# Altium PCB FPV0-3.PcbDoc (part 5 of 6) (continued)
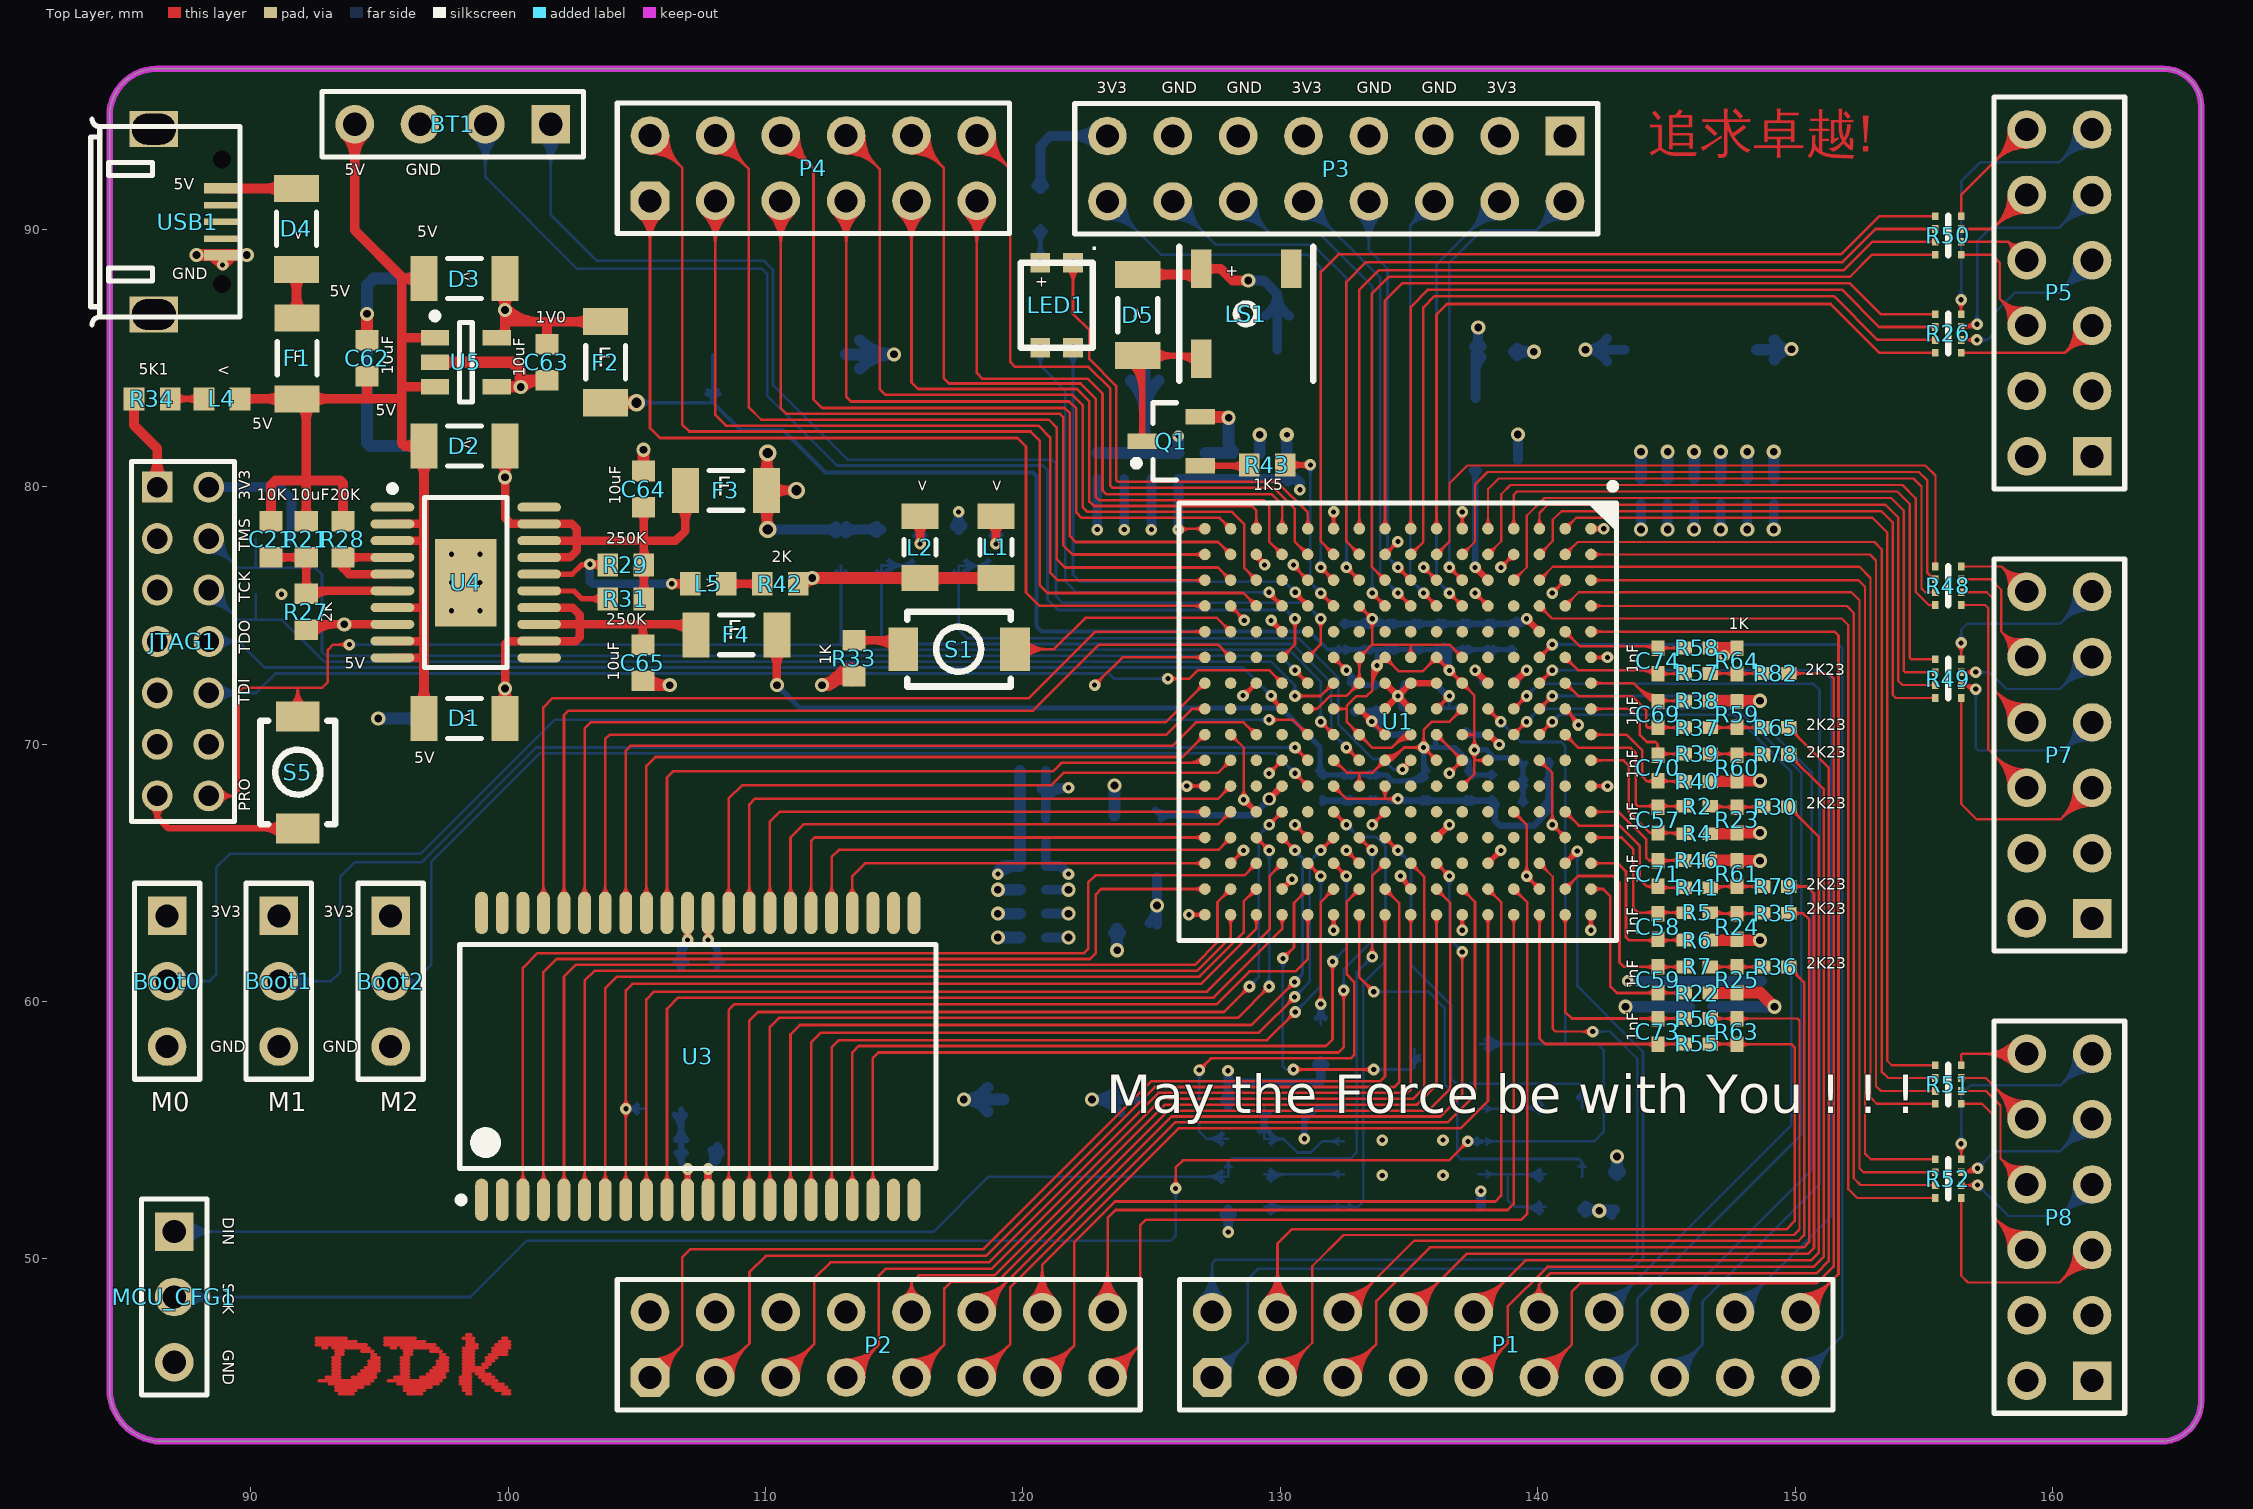
[diagram p0: Top Layer view]
## Nets (pads, with @x,y where several pads share a name; then routed paths per layer and width w, separated by ;. In a path a pad name is that pad's centre, name@x,y a point inside that pad or via, vN(x,y) a via of type N, cw(c..) or ccw(c..) an arc to the next point about the centre after c; other vN are vias at no path point) (continued)
  Bottom Layer w0.102: v1@136.446,76.989 ccw(c136.148,77.287) 136.569,77.287 ccw(c136.99,77.287) v1@136.692,76.989 ; v1(136.569,76.866) 136.569,88.715 137.809,89.956 139.943,89.956 ; 140.104,90.117 ccw(c139.23,90.992) P3.2@140.465,91.055 ; 140.108,90.121 cw(c140.997,89.232) P3.2@141.041,90.488 ; 140.266,90.279 ccw(c139.537,91.007) P3.2@140.566,91.06 ; 140.273,90.286 cw(c141.008,89.551) P3.2@141.045,90.59 ; P3.2@140.364,91.05 cw(c138.922,90.976) 139.943,89.956 ; 140.428,90.44 ccw(c139.845,91.023) P3.2@140.668,91.065 ; 140.439,90.451 cw(c141.019,89.87) P3.2@141.048,90.691 ; P3.2@141.037,90.387 ccw(c140.986,88.912) 139.943,89.956 ; P3.2@141.067,91.08 139.943,89.956
QSPI_CS: R12.2 U1.L12 U2.1 | length 26.6
  Top Layer w0.102: U1.L12@132.069,67.192 cw(c132.069,66.773) 132.365,67.069 ; U1.L12@132.069,67.366 v1(132.569,66.866) ; U1.L12@132.243,67.366 ccw(c132.666,67.366) 132.367,67.067 ; v1@132.395,66.866 ccw(c131.974,66.866) 132.271,67.163 ccw(c132.569,67.46) v1@132.569,67.04
  Bottom Layer w0.102: R12.2@129.376,52.019 U2.1@132.453,52.019 133.02,52.019 133.223,52.222 133.223,60.706 134.087,61.57 134.087,66.015 133.712,66.389 133.045,66.389 v1(132.569,66.866) ; R12.2@129.48,51.864 cw(c129.853,51.491) 129.853,52.019 ; R12.2@129.551,51.793 cw(c130.099,51.245) 130.099,52.019 ; R12.2@129.551,52.143 ccw(c129.85,52.441) 129.85,52.019 ; R12.2@129.623,51.721 cw(c130.344,51) 130.344,52.019 ; R12.2@129.623,52.215 ccw(c130.095,52.686) 130.095,52.019 ; U2.1@132.255,51.896 ccw(c131.957,51.599) 131.957,52.019 ccw(c131.957,52.44) U2.1@132.255,52.142 ; v1@132.569,66.691 cw(c132.569,66.271) 132.866,66.568 cw(c133.164,66.866) v1@132.743,66.866 ; U2.1@132.651,51.896 cw(c132.949,51.599) 132.949,52.019 cw(c132.949,52.44) U2.1@132.651,52.142
QSPI_DQ0: R20.1 U1.J13 | length 20.2
  Top Layer w0.102: U1.J13@134.069,66.192 cw(c134.069,65.773) 134.365,66.069 ; U1.J13@134.069,66.366 v1(134.569,65.866) ; U1.J13@134.243,66.366 ccw(c134.666,66.366) 134.367,66.067 ; v1@134.395,65.866 ccw(c133.974,65.866) 134.271,66.163 ccw(c134.569,66.46) v1@134.569,66.04
  Bottom Layer w0.102: v1@134.569,65.691 cw(c134.569,65.271) 134.866,65.568 cw(c135.164,65.866) v1@134.743,65.866 ; v1(134.569,65.866) 135.076,65.359 135.076,61.419 136.641,59.854 136.641,57.009 136.855,56.794 141.63,56.794 141.732,56.693 ; R20.1@141.514,56.262 ccw(c141.198,56.693) 141.732,56.693 ; R20.1@141.574,56.18 ccw(c141.345,56.492) 141.732,56.492 ; R20.1@141.732,55.829 141.732,56.693 ; 141.732,56.479 ccw(c142.127,56.479) R20.1@141.877,56.173 ; R20.1@141.942,56.251 cw(c142.302,56.693) 141.732,56.693
QSPI_DQ2: R14.2 U1.K15 | length 20.8
  Top Layer w0.102: v1(126.848,57.328) 127.305,57.785 132.74,57.785 132.866,57.91 132.866,60.758 132.588,61.036 132.588,63.885 U1.K15@133.069,64.366 ; v1@126.848,57.502 ccw(c126.848,57.923) 127.145,57.625 ccw(c127.442,57.328) v1@127.022,57.328 ; U1.K15@132.895,64.366 cw(c132.474,64.366) 132.772,64.069 cw(c133.069,63.771) U1.K15@133.069,64.192
  Bottom Layer w0.102: v1@126.724,57.205 cw(c126.427,56.907) 126.848,56.907 cw(c127.268,56.907) v1@126.971,57.205 ; v1(126.848,57.328) 126.848,54.966 127.152,54.661 ; R14.2@127.725,54.418 ccw(c127.152,53.863) 127.152,54.661 ; R14.2@127.725,54.904 cw(c127.152,55.458) 127.152,54.661 ; R14.2@127.798,54.489 ccw(c127.392,54.095) 127.392,54.661 ccw(c127.392,55.226) R14.2@127.798,54.833 ; R14.2@127.976,54.661 127.152,54.661
QSPI_DQ3: R19.1 U1.K16 | length 20.2
  Top Layer w0.102: U1.K16@132.946,63.243 cw(c132.649,62.945) 133.069,62.945 cw(c133.49,62.945) U1.K16@133.192,63.243 ; U1.K16@133.069,63.366 133.069,60.936 v1(133.629,60.376) ; v1@133.455,60.376 ccw(c133.035,60.376) 133.332,60.673 ccw(c133.629,60.971) v1@133.629,60.55
  Bottom Layer w0.102: v1(133.629,60.376) 135.759,60.376 136.387,59.748 136.387,56.78 136.881,56.286 136.881,54 137.008,53.873 141.605,53.873 141.732,53.746 ; v1@133.753,60.253 cw(c134.05,59.955) 134.05,60.376 cw(c134.05,60.796) v1@133.753,60.499 ; R19.1@141.605,53.567 ccw(c141.542,53.746) 141.732,53.746 ; R19.1@141.721,53.188 141.732,53.199 141.732,53.746 ; R19.1@141.856,53.56 cw(c141.935,53.746) 141.732,53.746
QSPI_SCK: MCU_CFG1.2 R17.1 U1.E8 U2.6 | length 101.1
  Top Layer w0.102: v1@125.81,52.854 ccw(c125.513,53.151) 125.933,53.151 ccw(c126.354,53.151) v1@126.056,52.854 ; v1(125.933,52.73) 125.933,53.543 126.213,53.823 136.55,53.823 v1(137.287,54.559) ; v1@137.113,54.559 cw(c136.692,54.559) 136.99,54.262 cw(c137.287,53.964) v1@137.287,54.385 ; U1.E8@138.069,71.192 cw(c138.069,70.771) 138.367,71.069 cw(c138.664,71.366) U1.E8@138.243,71.366 ; U1.E8@138.069,71.366 v1(138.569,70.866) ; 138.271,71.164 cw(c137.972,70.866) v1@138.395,70.866 ; 138.273,71.162 ccw(c138.569,71.458) v1@138.569,71.04
  Bottom Layer w0.102: MCU_CFG1.2@87.02,48.514 98.527,48.514 100.711,50.698 125.755,50.698 125.933,50.876 v1(125.933,52.73) ; MCU_CFG1.2@87.299,48.235 cw(c87.973,47.562) 87.973,48.514 cw(c87.973,49.466) MCU_CFG1.2@87.299,48.793 ; MCU_CFG1.2@87.371,48.163 cw(c88.218,47.317) 88.218,48.514 cw(c88.218,49.711) MCU_CFG1.2@87.371,48.865 ; MCU_CFG1.2@87.443,48.091 cw(c88.463,47.071) 88.463,48.514 cw(c88.463,49.957) MCU_CFG1.2@87.443,48.937 ; MCU_CFG1.2@87.515,48.02 cw(c88.708,46.826) 88.708,48.514 cw(c88.708,50.202) MCU_CFG1.2@87.515,49.008 ; v1@125.81,52.607 cw(c125.513,52.31) 125.933,52.31 cw(c126.354,52.31) v1@126.056,52.607 ; R17.1@137.776,58.344 141.069,58.344 ; U2.6@137.803,54.559 142.189,54.559 142.57,54.94 142.57,58.09 142.316,58.344 141.069,58.344 ; R17.1@137.95,58.17 cw(c138.37,57.75) 138.37,58.344 cw(c138.37,58.938) R17.1@137.95,58.518 ; U2.6@138.001,54.436 cw(c138.299,54.139) 138.299,54.559 ; U2.6@138.001,54.682 ccw(c138.299,54.98) 138.299,54.559 ; R17.1@138.022,58.098 cw(c138.615,57.505) 138.615,58.344 cw(c138.615,59.183) R17.1@138.022,58.59 ; R17.1@138.093,58.026 cw(c138.86,57.259) 138.86,58.344 cw(c138.86,59.428) R17.1@138.093,58.661 ; v1@138.569,70.691 cw(c138.569,70.271) 138.866,70.568 cw(c139.164,70.866) v1@138.743,70.866 ; v1(138.569,70.866) 139.356,70.079 140.919,70.079 141.069,69.929 141.069,58.344
  Bottom Layer w0.203: v1(137.287,54.559) U2.6@137.803,54.559 ; v1@137.374,54.472 cw(c137.585,54.261) 137.585,54.559 cw(c137.585,54.857) v1@137.374,54.646 ; v1@137.388,54.489 cw(c137.486,54.421) U2.6@137.517,54.536 ; v1@137.388,54.63 ccw(c137.486,54.698) U2.6@137.517,54.583 ; U2.6@137.641,54.472 ccw(c137.43,54.261) 137.43,54.559 ccw(c137.43,54.857) U2.6@137.641,54.646
SRAM-A0: U1.P14 U3.3 | length 42.1
  Top Layer w0.102: U3.3@100.425,53.002 ccw(c100.085,53.342) 100.566,53.342 ccw(c101.047,53.342) U3.3@100.707,53.002 ; U3.3@100.566,52.286 100.566,61.297 101.143,61.874 122.37,61.874 122.53,62.034 122.53,64.618 122.809,64.897 128.6,64.897 U1.P14@129.069,65.366 ; U1.P14@128.895,65.366 cw(c128.474,65.366) 128.772,65.069 cw(c129.069,64.771) U1.P14@129.069,65.192
SRAM-A1: U1.T15 U3.4 | length 38.6
  Top Layer w0.102: U3.4@101.225,53.002 ccw(c100.885,53.342) 101.366,53.342 ccw(c101.847,53.342) U3.4@101.507,53.002 ; U3.4@101.366,52.286 101.366,61.132 101.879,61.646 122.606,61.646 122.834,61.874 122.834,64.16 123.04,64.366 U1.T15@127.069,64.366 ; U1.T15@126.946,64.243 ccw(c126.649,63.945) 126.649,64.366 ccw(c126.649,64.787) U1.T15@126.946,64.489
SRAM-A2: U1.R15 U3.5 | length 38.3
  Top Layer w0.102: U3.5@102.025,53.002 ccw(c101.685,53.342) 102.166,53.342 ccw(c102.647,53.342) U3.5@102.307,53.002 ; U3.5@102.166,52.286 102.166,60.967 102.616,61.417 126.677,61.417 127.559,62.299 127.559,63.856 U1.R15@128.069,64.366 ; U1.R15@127.895,64.366 cw(c127.474,64.366) 127.772,64.069 cw(c128.069,63.771) U1.R15@128.069,64.192
SRAM-A3: U1.R16 U3.6 | length 36.6
  Top Layer w0.102: U3.6@102.825,53.002 ccw(c102.485,53.342) 102.966,53.342 ccw(c103.447,53.342) U3.6@103.107,53.002 ; U3.6@102.966,52.286 102.966,60.802 103.353,61.189 126.771,61.189 128.069,62.486 U1.R16@128.069,63.366 ; U1.R16@127.946,63.243 cw(c127.649,62.945) 128.069,62.945 cw(c128.49,62.945) U1.R16@128.192,63.243
SRAM-A4: U1.P15 U3.7 | length 37.2
  Top Layer w0.102: U3.7@103.625,53.002 ccw(c103.285,53.342) 103.766,53.342 ccw(c104.247,53.342) U3.7@103.907,53.002 ; U3.7@103.766,52.286 103.766,60.51 104.216,60.96 126.866,60.96 128.575,62.669 128.575,63.872 U1.P15@129.069,64.366 ; U1.P15@128.895,64.366 cw(c128.474,64.366) 128.772,64.069 cw(c129.069,63.771) U1.P15@129.069,64.192
SRAM-A5: U1.N13 U3.16 | length 37
  Top Layer w0.102: U3.16@110.825,53.002 ccw(c110.485,53.342) 110.966,53.342 ccw(c111.447,53.342) U3.16@111.107,53.002 ; U3.16@110.966,52.286 110.966,58.718 111.328,59.08 128.88,59.08 v1(130.556,60.757) ; U1.N13@130.069,66.192 cw(c130.069,65.772) 130.366,66.069 ; U1.N13@130.069,66.366 v1(130.569,65.866) ; U1.N13@130.243,66.366 ccw(c130.665,66.366) 130.367,66.068 ; v1@130.382,60.757 cw(c129.961,60.757) 130.259,60.459 cw(c130.556,60.162) v1@130.556,60.583 ; v1@130.395,65.866 ccw(c129.974,65.866) 130.271,66.163 ccw(c130.569,66.461) v1@130.569,66.04
  Bottom Layer w0.102: v1(130.556,60.757) 130.861,61.062 130.861,65.574 ; v1@130.556,60.931 ccw(c130.556,61.352) 130.853,61.054 ccw(c131.151,60.757) v1@130.73,60.757 ; v1(130.569,65.866) 130.861,65.574 ; v1@130.571,65.692 cw(c130.576,65.29) 130.861,65.574 ; v1@130.743,65.864 ccw(c131.145,65.858) 130.861,65.574
SRAM-A6: U1.L13 U3.17 | length 36.5
  Top Layer w0.102: U3.17@111.625,53.002 ccw(c111.285,53.342) 111.766,53.342 ccw(c112.247,53.342) U3.17@111.907,53.002 ; U3.17@111.766,52.286 111.766,58.4 112.141,58.776 129.159,58.776 v1@130.581,60.198 ; v1@130.382,60.173 cw(c129.961,60.173) 130.259,59.875 cw(c130.556,59.578) v1@130.556,59.998 ; v1(131.569,65.866) U1.L13@132.069,66.366 ; v1@131.569,66.04 ccw(c131.569,66.46) 131.866,66.163 ccw(c132.164,65.866) v1@131.743,65.866 ; U1.L13@131.895,66.366 cw(c131.474,66.366) 131.772,66.069 cw(c132.069,65.771) U1.L13@132.069,66.192
  Bottom Layer w0.102: v1@130.556,60.347 ccw(c130.556,60.767) 130.853,60.47 ccw(c131.151,60.173) v1@130.73,60.173 ; v1@130.581,60.198 131.14,60.757 131.14,65.437 v1(131.569,65.866) ; v1@131.395,65.866 cw(c130.974,65.866) 131.271,65.568 cw(c131.569,65.271) v1@131.569,65.691
  other v1: 130.556,60.173
SRAM-A7: U1.M14 U3.18 | length 35
  Top Layer w0.102: U3.18@112.425,53.002 ccw(c112.085,53.342) 112.566,53.342 ccw(c113.047,53.342) U3.18@112.707,53.002 ; U3.18@112.566,52.286 112.566,58.21 112.852,58.496 129.489,58.496 v1(130.581,59.588) ; v1@130.407,59.588 cw(c129.987,59.588) 130.284,59.291 cw(c130.581,58.994) v1@130.581,59.414 ; U1.M14@131.069,65.192 cw(c131.069,64.773) 131.365,65.069 ; U1.M14@131.069,65.365 v1(131.569,64.866) ; U1.M14@131.243,65.366 ccw(c131.666,65.366) 131.367,65.067 ; v1@131.395,64.866 ccw(c130.974,64.866) 131.271,65.163 ccw(c131.569,65.46) v1@131.569,65.04
  Bottom Layer w0.102: v1(130.581,59.588) 131.569,60.576 v1(131.569,64.866) ; v1@130.581,59.763 ccw(c130.581,60.183) 130.879,59.886 ccw(c131.176,59.588) v1@130.756,59.588 ; v1@131.446,64.742 cw(c131.148,64.445) 131.569,64.445 cw(c131.989,64.445) v1@131.692,64.742
SRAM-A8: U1.L14 U3.19 | length 35.5
  Top Layer w0.102: U3.19@113.225,53.002 ccw(c112.885,53.342) 113.366,53.342 ccw(c113.847,53.342) U3.19@113.507,53.002 ; U3.19@113.366,52.769 113.366,58.019 113.614,58.268 131.775,58.268 132.029,58.522 v1(132.029,61.55) ; v1@131.906,61.427 cw(c131.609,61.13) 132.029,61.13 cw(c132.45,61.13) v1@132.152,61.427 ; U1.L14@132.069,65.192 cw(c132.069,64.771) 132.367,65.069 cw(c132.664,65.366) U1.L14@132.243,65.366 ; U1.L14@132.069,65.366 v1(132.569,64.866) ; 132.271,65.164 cw(c131.972,64.866) v1@132.395,64.866 ; 132.273,65.162 ccw(c132.569,65.458) v1@132.569,65.04
  Bottom Layer w0.102: v1(132.029,61.55) 132.569,62.09 v1(132.569,64.866) ; v1@132.029,61.725 ccw(c132.029,62.145) 132.327,61.848 ccw(c132.624,61.55) v1@132.203,61.55 ; v1@132.446,64.742 cw(c132.148,64.445) 132.569,64.445 cw(c132.989,64.445) v1@132.692,64.742
SRAM-A9: U1.K13 U3.20 | length 36.4
  Top Layer w0.102: U3.20@114.025,53.002 ccw(c113.685,53.342) 114.166,53.342 ccw(c114.647,53.342) U3.20@114.307,53.002 ; U3.20@114.166,52.769 114.166,57.803 114.376,58.014 132.258,58.014 132.461,58.217 v1(132.461,60.427) ; v1@132.338,60.303 cw(c132.04,60.006) 132.461,60.006 cw(c132.882,60.006) v1@132.584,60.303 ; U1.K13@133.069,66.192 cw(c133.069,65.773) 133.365,66.069 ; U1.K13@133.069,66.366 v1(133.569,65.866) ; U1.K13@133.243,66.366 ccw(c133.666,66.366) 133.367,66.067 ; v1@133.395,65.866 ccw(c132.974,65.866) 133.271,66.163 ccw(c133.569,66.46) v1@133.569,66.04
  Bottom Layer w0.102: v1@132.338,60.55 ccw(c132.04,60.847) 132.461,60.847 ccw(c132.882,60.847) v1@132.584,60.55 ; v1(132.461,60.427) 132.461,61.241 133.569,62.349 v1(133.569,65.866) ; v1@132.537,60.427 v1@132.563,60.452 ; v1@133.446,65.742 cw(c133.148,65.445) 133.569,65.445 cw(c133.989,65.445) v1@133.692,65.742
SRAM-A10: U1.T14 U3.26 | length 16.8
  Top Layer w0.102: U3.26@113.225,64.152 ccw(c112.885,64.492) 113.366,64.492 ccw(c113.847,64.492) U3.26@113.507,64.152 ; U3.26@113.366,63.436 113.366,64.877 113.855,65.366 U1.T14@127.069,65.366 ; U1.T14@126.946,65.243 ccw(c126.649,64.945) 126.649,65.366 ccw(c126.649,65.787) U1.T14@126.946,65.489
SRAM-A11: U1.R13 U3.27 | length 19.4
  Top Layer w0.102: U3.27@112.425,64.152 ccw(c112.085,64.492) 112.566,64.492 ccw(c113.047,64.492) U3.27@112.707,64.152 ; U3.27@112.566,63.436 112.566,65.601 112.852,65.888 127.591,65.888 U1.R13@128.069,66.366 ; U1.R13@127.895,66.366 cw(c127.474,66.366) 127.772,66.069 cw(c128.069,65.771) U1.R13@128.069,66.192
SRAM-A12: U1.T13 U3.28 | length 19.6
  Top Layer w0.102: U3.28@111.625,64.152 ccw(c111.285,64.492) 111.766,64.492 ccw(c112.247,64.492) U3.28@111.907,64.152 ; U3.28@111.766,63.436 111.766,66.224 111.908,66.366 U1.T13@127.069,66.366 ; U1.T13@126.946,66.243 ccw(c126.649,65.945) 126.649,66.366 ccw(c126.649,66.787) U1.T13@126.946,66.489
SRAM-A13: U1.R12 U3.29 | length 21.9
  Top Layer w0.102: U3.29@110.825,64.152 ccw(c110.485,64.492) 110.966,64.492 ccw(c111.447,64.492) U3.29@111.107,64.152 ; U3.29@110.966,63.436 110.966,66.363 111.481,66.878 127.581,66.878 U1.R12@128.069,67.366 ; U1.R12@127.895,67.366 cw(c127.474,67.366) 127.772,67.069 cw(c128.069,66.771) U1.R12@128.069,67.192
SRAM-A14: U1.T12 U3.30 | length 22
  Top Layer w0.102: U3.30@110.025,64.152 ccw(c109.685,64.492) 110.166,64.492 ccw(c110.647,64.492) U3.30@110.307,64.152 ; U3.30@110.166,63.436 110.166,66.986 110.546,67.366 U1.T12@127.069,67.366 ; U1.T12@126.946,67.243 ccw(c126.649,66.945) 126.649,67.366 ccw(c126.649,67.787) U1.T12@126.946,67.489
SRAM-A15: U1.T8 U3.38 | length 32
  Top Layer w0.102: U3.38@103.625,64.152 ccw(c103.285,64.492) 103.766,64.492 ccw(c104.247,64.492) U3.38@103.907,64.152 ; U3.38@103.766,63.436 103.766,70.187 103.937,70.358 125.552,70.358 126.56,71.366 U1.T8@127.069,71.366 ; U1.T8@126.946,71.243 ccw(c126.649,70.945) 126.649,71.366 ccw(c126.649,71.787) U1.T8@126.946,71.489
SRAM-A16: U1.T7 U3.39 | length 33.4
  Top Layer w0.102: U3.39@102.825,64.152 ccw(c102.485,64.492) 102.966,64.492 ccw(c103.447,64.492) U3.39@103.107,64.152 ; U3.39@102.966,63.436 102.966,70.606 103.2,70.841 125.544,70.841 U1.T7@127.069,72.366 ; U1.T7@126.895,72.366 cw(c126.474,72.366) 126.772,72.069 cw(c127.069,71.771) U1.T7@127.069,72.192
SRAM-A17: U1.R6 U3.40 | length 36.3
  Top Layer w0.102: U3.40@102.025,64.152 ccw(c101.685,64.492) 102.166,64.492 ccw(c102.647,64.492) U3.40@102.307,64.152 ; U3.40@102.166,63.436 102.166,71.127 102.337,71.298 120.396,71.298 122.961,73.863 127.572,73.863 U1.R6@128.069,73.366 ; U1.R6@127.895,73.366 ccw(c127.474,73.366) 127.772,73.663 ccw(c128.069,73.961) U1.R6@128.069,73.54
SRAM-A18: U1.T5 U3.41 | length 36.3
  Top Layer w0.102: U3.41@101.225,64.152 ccw(c100.885,64.492) 101.366,64.492 ccw(c101.847,64.492) U3.41@101.507,64.152 ; U3.41@101.366,63.436 101.366,71.419 101.727,71.78 120.225,71.78 122.811,74.366 U1.T5@127.069,74.366 ; U1.T5@126.946,74.243 ccw(c126.649,73.945) 126.649,74.366 ccw(c126.649,74.787) U1.T5@126.946,74.489
SRAM-CE: R47.1 U1.P16 U3.8 | length 41.2
  Top Layer w0.102: U3.8@104.425,53.002 ccw(c104.085,53.342) 104.566,53.342 ccw(c105.047,53.342) U3.8@104.707,53.002 ; v1@104.449,55.706 cw(c104.166,55.423) 104.566,55.423 ; v1@104.449,55.952 ccw(c104.166,56.235) 104.566,56.235 ; U3.8@104.566,52.286 104.566,60.421 104.826,60.681 126.91,60.681 129.069,62.84 U1.P16@129.069,63.366 ; 104.566,55.394 cw(c105.007,55.394) v1@104.695,55.706 ; 104.566,56.264 ccw(c105.007,56.264) v1@104.695,55.952 ; U1.P16@128.946,63.243 cw(c128.649,62.945) 129.069,62.945 cw(c129.49,62.945) U1.P16@129.192,63.243
  Bottom Layer w0.102: v1@104.695,55.706 cw(c104.992,55.409) 104.992,55.829 cw(c104.992,56.25) v1@104.695,55.952 ; v1@104.707,55.719 cw(c104.801,55.642) 104.832,55.759 cw(c104.864,55.877) v1@104.744,55.857 ; v1@104.707,55.939 ccw(c104.801,56.016) 104.832,55.899 ccw(c104.864,55.781) v1@104.744,55.801 ; R47.1@104.869,55.804 cw(c104.932,56.037) 104.723,55.916 ccw(c104.837,55.983) R47.1@104.871,55.855 ; R47.1@104.869,55.855 ccw(c104.932,55.621) 104.723,55.742 cw(c104.837,55.675) R47.1@104.871,55.803 ; R47.1@104.989,55.62 ccw(c104.572,55.308) v1(104.572,55.829) ; R47.1@104.989,56.038 cw(c104.572,56.35) v1(104.572,55.829) ; R47.1@105.07,55.681 ccw(c104.775,55.46) 104.775,55.829 ccw(c104.775,56.199) R47.1@105.07,55.977 ; R47.1@105.269,55.829 v1(104.572,55.829)
SRAM-DQ0: U1.N14 U3.9 | length 37.3
  Top Layer w0.102: U3.9@105.225,53.002 ccw(c104.885,53.342) 105.366,53.342 ccw(c105.847,53.342) U3.9@105.507,53.002 ; U3.9@105.366,52.286 105.366,60.078 105.664,60.376 127.152,60.376 129.591,62.814 129.591,64.888 U1.N14@130.069,65.366 ; U1.N14@129.895,65.366 cw(c129.474,65.366) 129.772,65.069 cw(c130.069,64.771) U1.N14@130.069,65.192
SRAM-DQ1: U1.N16 U3.10 | length 34.6
  Top Layer w0.102: U3.10@106.025,53.002 ccw(c105.685,53.342) 106.166,53.342 ccw(c106.647,53.342) U3.10@106.307,53.002 ; U3.10@106.166,52.286 106.166,59.709 106.604,60.147 127.406,60.147 130.069,62.81 U1.N16@130.069,63.366 ; U1.N16@129.946,63.243 cw(c129.649,62.945) 130.069,62.945 cw(c130.49,62.945) U1.N16@130.192,63.243
SRAM-DQ2: U1.M16 U3.13 | length 33.8
  Top Layer w0.102: U3.13@108.425,53.002 ccw(c108.085,53.342) 108.566,53.342 ccw(c109.047,53.342) U3.13@108.707,53.002 ; U3.13@108.566,52.286 108.566,59.671 108.788,59.893 127.533,59.893 128.803,61.163 130.581,61.163 131.069,61.651 U1.M16@131.069,63.366 ; U1.M16@130.946,63.243 cw(c130.649,62.945) 131.069,62.945 cw(c131.49,62.945) U1.M16@131.192,63.243
SRAM-DQ3: U1.N12 U3.14 | length 38.3
  Top Layer w0.102: U3.14@109.225,53.002 ccw(c108.885,53.342) 109.366,53.342 ccw(c109.847,53.342) U3.14@109.507,53.002 ; U3.14@109.366,52.286 109.366,59.252 109.703,59.588 127.813,59.588 v1(128.803,60.579) ; v1@128.629,60.579 cw(c128.209,60.579) 128.506,60.282 cw(c128.803,59.984) v1@128.803,60.405 ; v1(129.569,66.866) U1.N12@130.069,67.366 ; v1@129.569,67.04 ccw(c129.569,67.461) 129.867,67.163 ccw(c130.164,66.866) v1@129.743,66.866 ; U1.N12@129.895,67.366 cw(c129.474,67.366) 129.772,67.069 cw(c130.069,66.771) U1.N12@130.069,67.192
  Bottom Layer w0.102: v1(128.803,60.579) 129.159,60.935 129.159,63.043 129.164,63.048 129.164,66.461 v1(129.569,66.866) ; v1@128.803,60.753 ccw(c128.803,61.174) 129.101,60.876 ccw(c129.398,60.579) v1@128.978,60.579 ; v1@129.395,66.866 cw(c128.974,66.866) 129.272,66.569 cw(c129.569,66.271) v1@129.569,66.692
SRAM-DQ4: U1.R11 U3.31 | length 24.6
  Top Layer w0.102: U3.31@109.225,64.152 ccw(c108.885,64.492) 109.366,64.492 ccw(c109.847,64.492) U3.31@109.507,64.152 ; U3.31@109.366,63.436 109.366,67.659 109.576,67.869 127.572,67.869 U1.R11@128.069,68.366 ; U1.R11@127.895,68.366 cw(c127.474,68.366) 127.772,68.069 cw(c128.069,67.771) U1.R11@128.069,68.192
SRAM-DQ5: U1.R10 U3.32 | length 26
  Top Layer w0.102: U3.32@108.425,64.152 ccw(c108.085,64.492) 108.566,64.492 ccw(c109.047,64.492) U3.32@108.707,64.152 ; U3.32@108.566,63.436 108.566,67.875 109.093,68.402 121.107,68.402 121.59,68.885 127.588,68.885 U1.R10@128.069,69.366 ; U1.R10@127.895,69.366 cw(c127.474,69.366) 127.772,69.069 cw(c128.069,68.771) U1.R10@128.069,69.192
SRAM-DQ6: U1.T10 U3.35 | length 28.2
  Top Layer w0.102: U3.35@106.025,64.152 ccw(c105.685,64.492) 106.166,64.492 ccw(c106.647,64.492) U3.35@106.307,64.152 ; U3.35@106.166,63.436 106.166,68.701 106.401,68.936 121.158,68.936 121.488,69.266 126.969,69.266 U1.T10@127.069,69.366 ; 126.407,69.266 ccw(c126.407,70.028) U1.T10@126.946,69.489 ; 126.652,69.266 ccw(c126.652,69.783) U1.T10@127.018,69.417
SRAM-DQ7: U1.T9 U3.36 | length 29.3
  Top Layer w0.102: U3.36@105.225,64.152 ccw(c104.885,64.492) 105.366,64.492 ccw(c105.847,64.492) U3.36@105.507,64.152 ; U3.36@105.366,63.436 105.366,69.145 105.715,69.494 126.198,69.494 U1.T9@127.069,70.366 ; U1.T9@126.895,70.366 cw(c126.474,70.366) 126.772,70.069 cw(c127.069,69.771) U1.T9@127.069,70.192
SRAM-OE: U1.P9 U3.37 | length 32.9
  Top Layer w0.102: U3.37@104.425,64.152 ccw(c104.085,64.492) 104.566,64.492 ccw(c105.047,64.492) U3.37@104.707,64.152 ; U3.37@104.566,63.436 104.566,69.742 104.75,69.926 125.806,69.926 126.721,70.841 128.575,70.841 129.049,70.366 U1.P9@129.069,70.366 ; 128.738,70.677 ccw(c129.069,71.009) U1.P9@129.069,70.54 ; 128.786,70.63 cw(c128.522,70.366) U1.P9@128.895,70.366
SRAM-WE: U1.P13 U3.15 | length 36.8
  Top Layer w0.102: U3.15@110.025,53.002 ccw(c109.685,53.342) 110.166,53.342 ccw(c110.647,53.342) U3.15@110.307,53.002 ; U3.15@110.166,52.286 110.166,59.01 110.515,59.36 128.346,59.36 v1(129.565,60.579) ; U1.P13@129.069,66.192 cw(c129.069,65.772) 129.366,66.069 ; U1.P13@129.069,66.366 v1(129.569,65.866) ; U1.P13@129.243,66.366 ccw(c129.665,66.366) 129.367,66.068 ; v1@129.391,60.579 cw(c128.971,60.579) 129.268,60.282 cw(c129.565,59.984) v1@129.565,60.405 ; v1@129.395,65.866 ccw(c128.974,65.866) 129.271,66.163 ccw(c129.569,66.461) v1@129.569,66.04
  Bottom Layer w0.102: v1@129.442,60.702 ccw(c129.145,61) 129.566,61 ccw(c129.986,60.999) v1@129.689,60.702 ; v1@129.446,65.743 cw(c129.148,65.446) 129.569,65.445 cw(c129.989,65.445) v1@129.692,65.743 ; v1(129.565,60.579) v1(129.569,65.866)
TCK: JTAG1.6 R45.1 U1.L7 | length 53.9
  Top Layer w0.102: v1(130.569,71.866) 131.569,71.866 U1.L7@132.069,72.366 ; v1@130.692,71.743 cw(c130.989,71.445) 130.989,71.866 cw(c130.989,72.287) v1@130.692,71.989 ; U1.L7@131.895,72.366 cw(c131.474,72.366) 131.772,72.069 cw(c132.069,71.771) U1.L7@132.069,72.192
  Bottom Layer w0.102: JTAG1.6@88.36,75.435 cw(c88.36,74.11) 89.298,75.047 cw(c90.235,75.985) JTAG1.6@88.909,75.985 ; JTAG1.6@88.36,75.537 cw(c88.36,74.456) 89.124,75.221 cw(c89.888,75.985) JTAG1.6@88.808,75.985 ; JTAG1.6@88.36,75.639 cw(c88.36,74.803) 88.951,75.394 cw(c89.541,75.985) JTAG1.6@88.706,75.985 ; JTAG1.6@88.36,75.985 89.516,74.828 91.211,74.828 92.837,73.203 129.642,73.203 130.569,72.276 ; 90.181,74.84 R45.1@90.181,75.819 ; v1@130.448,71.991 ccw(c130.174,72.276) 130.569,72.276 ; v1(130.569,71.866) 130.569,72.276 ; v1@130.69,71.991 cw(c130.963,72.276) 130.569,72.276
TDI_FPGA: JTAG1.10 U1.N7 | length 49.5
  Top Layer w0.102: v1(125.628,72.542) 126.467,72.542 126.797,72.873 129.563,72.873 U1.N7@130.069,72.366 U1.N7@130.049,72.366 ; v1@125.752,72.419 cw(c126.049,72.122) 126.049,72.542 cw(c126.049,72.963) v1@125.752,72.666 ; U1.N7@129.895,72.366 ccw(c129.474,72.366) 129.772,72.663 ccw(c130.069,72.961) U1.N7@130.069,72.54
  Bottom Layer w0.102: JTAG1.10@88.36,71.985 90.196,71.985 90.953,72.741 123.347,72.741 123.546,72.542 v1(125.628,72.542) ; JTAG1.10@88.605,71.74 cw(c89.195,71.149) 89.195,71.985 cw(c89.195,72.82) JTAG1.10@88.605,72.229 ; JTAG1.10@88.677,71.668 cw(c89.441,70.904) 89.441,71.985 cw(c89.441,73.065) JTAG1.10@88.677,72.301 ; JTAG1.10@88.748,71.596 cw(c89.686,70.659) 89.686,71.985 cw(c89.686,73.31) JTAG1.10@88.748,72.373 ; v1@125.505,72.419 ccw(c125.208,72.122) 125.208,72.542 ccw(c125.208,72.963) v1@125.505,72.666
TDO_FPGA: JTAG1.8 U1.N8 | length 50.4
  Top Layer w0.102: v1@129.597,71.714 cw(c129.485,71.296) 129.859,71.512 ; v1@129.642,71.708 cw(c129.642,71.501) 129.788,71.647 ; v1(129.642,71.882) 129.642,71.794 U1.N8@130.069,71.366 ; v1@129.67,71.71 cw(c129.686,71.612) 129.773,71.662 cw(c129.863,71.714) v1@129.78,71.776 ; v1@129.714,71.881 ccw(c130.029,71.878) 129.872,71.606 ; v1@129.714,71.882 ccw(c130.103,71.882) 129.828,71.607 ; v1@129.81,71.837 ccw(c130.205,71.731) 129.851,71.527 ; v1@129.816,71.882 ccw(c130.45,71.882) U1.N8@130.001,71.434 ; U1.N8@129.895,71.366 ccw(c129.474,71.366) 129.772,71.663 ccw(c130.069,71.961) U1.N8@130.069,71.54
  Bottom Layer w0.102: JTAG1.8@88.36,73.985 89.515,73.985 ; JTAG1.8@88.628,73.766 cw(c89.088,73.392) 89.088,73.985 cw(c89.088,74.577) JTAG1.8@88.628,74.203 ; JTAG1.8@88.707,73.702 cw(c89.301,73.218) 89.301,73.985 cw(c89.301,74.751) JTAG1.8@88.707,74.267 ; JTAG1.8@88.786,73.638 cw(c89.515,73.044) 89.515,73.985 ; JTAG1.8@88.786,74.331 ccw(c89.515,74.925) 89.515,73.985 ; v1@129.467,71.882 ccw(c129.047,71.882) 129.344,72.179 ccw(c129.642,72.477) v1@129.642,72.056 ; v1(129.642,71.882) 128.549,72.974 90.526,72.974 89.515,73.985
TMS: JTAG1.4 R44.1 U1.M7 | length 55
  Top Layer w0.102: v1@130.569,72.691 cw(c130.569,72.271) 130.866,72.568 cw(c131.164,72.866) v1@130.743,72.866 ; v1(130.569,72.866) U1.M7@131.069,72.366 ; 130.771,72.664 ccw(c131.069,72.962) U1.M7@131.069,72.54 ; 130.772,72.662 cw(c130.476,72.366) U1.M7@130.895,72.366
  Bottom Layer w0.102: JTAG1.4@88.36,77.435 cw(c88.36,76.11) 89.298,77.047 cw(c90.235,77.985) JTAG1.4@88.909,77.985 ; JTAG1.4@88.36,77.537 cw(c88.36,76.456) 89.124,77.22 cw(c89.888,77.985) JTAG1.4@88.808,77.985 ; JTAG1.4@88.36,77.639 cw(c88.36,76.803) 88.951,77.394 cw(c89.541,77.985) JTAG1.4@88.706,77.985 ; JTAG1.4@88.36,77.985 89.498,76.846 92.496,76.846 92.761,76.581 92.761,73.584 92.913,73.431 130.003,73.431 v1(130.569,72.866) ; 90.181,76.857 R44.1@90.181,77.978 ; v1@130.395,72.866 ccw(c129.974,72.866) 130.272,73.163 ccw(c130.569,73.46) v1@130.569,73.04
UART_RX: BT1.2 U1.N6 | length 58.3
  Top Layer w0.102: U1.N6@130.069,73.366 130.569,73.866 v1(130.569,74.866) ; U1.N6@130.069,73.54 ccw(c130.069,73.961) 130.367,73.663 ccw(c130.664,73.366) U1.N6@130.243,73.366 ; v1@130.446,74.742 cw(c130.148,74.445) 130.569,74.445 cw(c130.989,74.445) v1@130.692,74.742
  Bottom Layer w0.102: BT1.2@98.616,93.587 cw(c97.423,92.394) 99.111,92.394 cw(c100.799,92.394) BT1.2@99.605,93.587 ; BT1.2@98.688,93.659 cw(c97.668,92.639) 99.111,92.639 cw(c100.554,92.639) BT1.2@99.533,93.659 ; BT1.2@98.76,93.731 cw(c97.913,92.884) 99.111,92.884 cw(c100.308,92.884) BT1.2@99.462,93.731 ; BT1.2@98.832,93.803 cw(c98.159,93.129) 99.111,93.129 cw(c100.063,93.129) BT1.2@99.39,93.803 ; BT1.2@99.111,94.082 99.111,92.024 102.667,88.468 109.855,88.468 110.058,88.265 110.058,83.541 112.776,80.823 120.777,80.823 120.955,80.645 120.955,75.62 121.365,75.209 130.225,75.209 v1(130.569,74.866) ; v1@130.395,74.866 ccw(c129.974,74.866) 130.271,75.163 ccw(c130.569,75.46) v1@130.569,75.04
UART_TX: BT1.1 U1.M6 | length 57.6
  Top Layer w0.102: U1.M6@131.069,73.366 131.569,73.866 v1(131.569,74.866) ; U1.M6@131.069,73.54 ccw(c131.069,73.961) 131.367,73.663 ccw(c131.664,73.366) U1.M6@131.243,73.366 ; v1@131.446,74.742 cw(c131.148,74.445) 131.569,74.445 cw(c131.989,74.445) v1@131.692,74.742
  Bottom Layer w0.102: BT1.1@101.156,93.587 cw(c99.963,92.394) 101.651,92.394 cw(c103.339,92.394) BT1.1@102.145,93.587 ; BT1.1@101.228,93.659 cw(c100.208,92.639) 101.651,92.639 cw(c103.094,92.639) BT1.1@102.073,93.659 ; BT1.1@101.3,93.731 cw(c100.453,92.884) 101.651,92.884 cw(c102.848,92.884) BT1.1@102.002,93.731 ; BT1.1@101.372,93.803 cw(c100.699,93.129) 101.651,93.129 cw(c102.603,93.129) BT1.1@101.93,93.803 ; BT1.1@101.651,94.082 101.651,90.566 103.444,88.773 109.931,88.773 110.287,88.417 110.287,83.947 113.182,81.051 121.133,81.051 121.285,80.899 121.285,75.743 121.539,75.489 130.946,75.489 v1(131.569,74.866) ; v1@131.395,74.866 ccw(c130.974,74.866) 131.271,75.163 ccw(c131.569,75.46) v1@131.569,75.04
VBUS: D4.2 F1.2 | length 4.4
  Top Layer w0.381: D4.2@91.534,88.206 cw(c90.963,87.635) 91.77,87.635 cw(c92.578,87.635) D4.2@92.007,88.206 ; F1.2@91.559,86.8 ccw(c91.049,87.31) 91.77,87.31 ; F1.2@91.77,86.589 D4.2@91.77,88.443 ; 91.77,87.432 ccw(c92.664,87.432) F1.2@92.032,86.8